# Altium PCB precursor_pvt2b.PcbDoc (part 4 of 7)
Units mm, origin at the board's own origin, x right, y up, seen from the top; angles counter-clockwise.
Board outline 62.8 x 62.65 mm, 6 copper layers (L1, L2, L3, L6, L7, L8), stack 0.693 mm thick; 424 components, 311 nets, 2038 pads, 2293 vias.
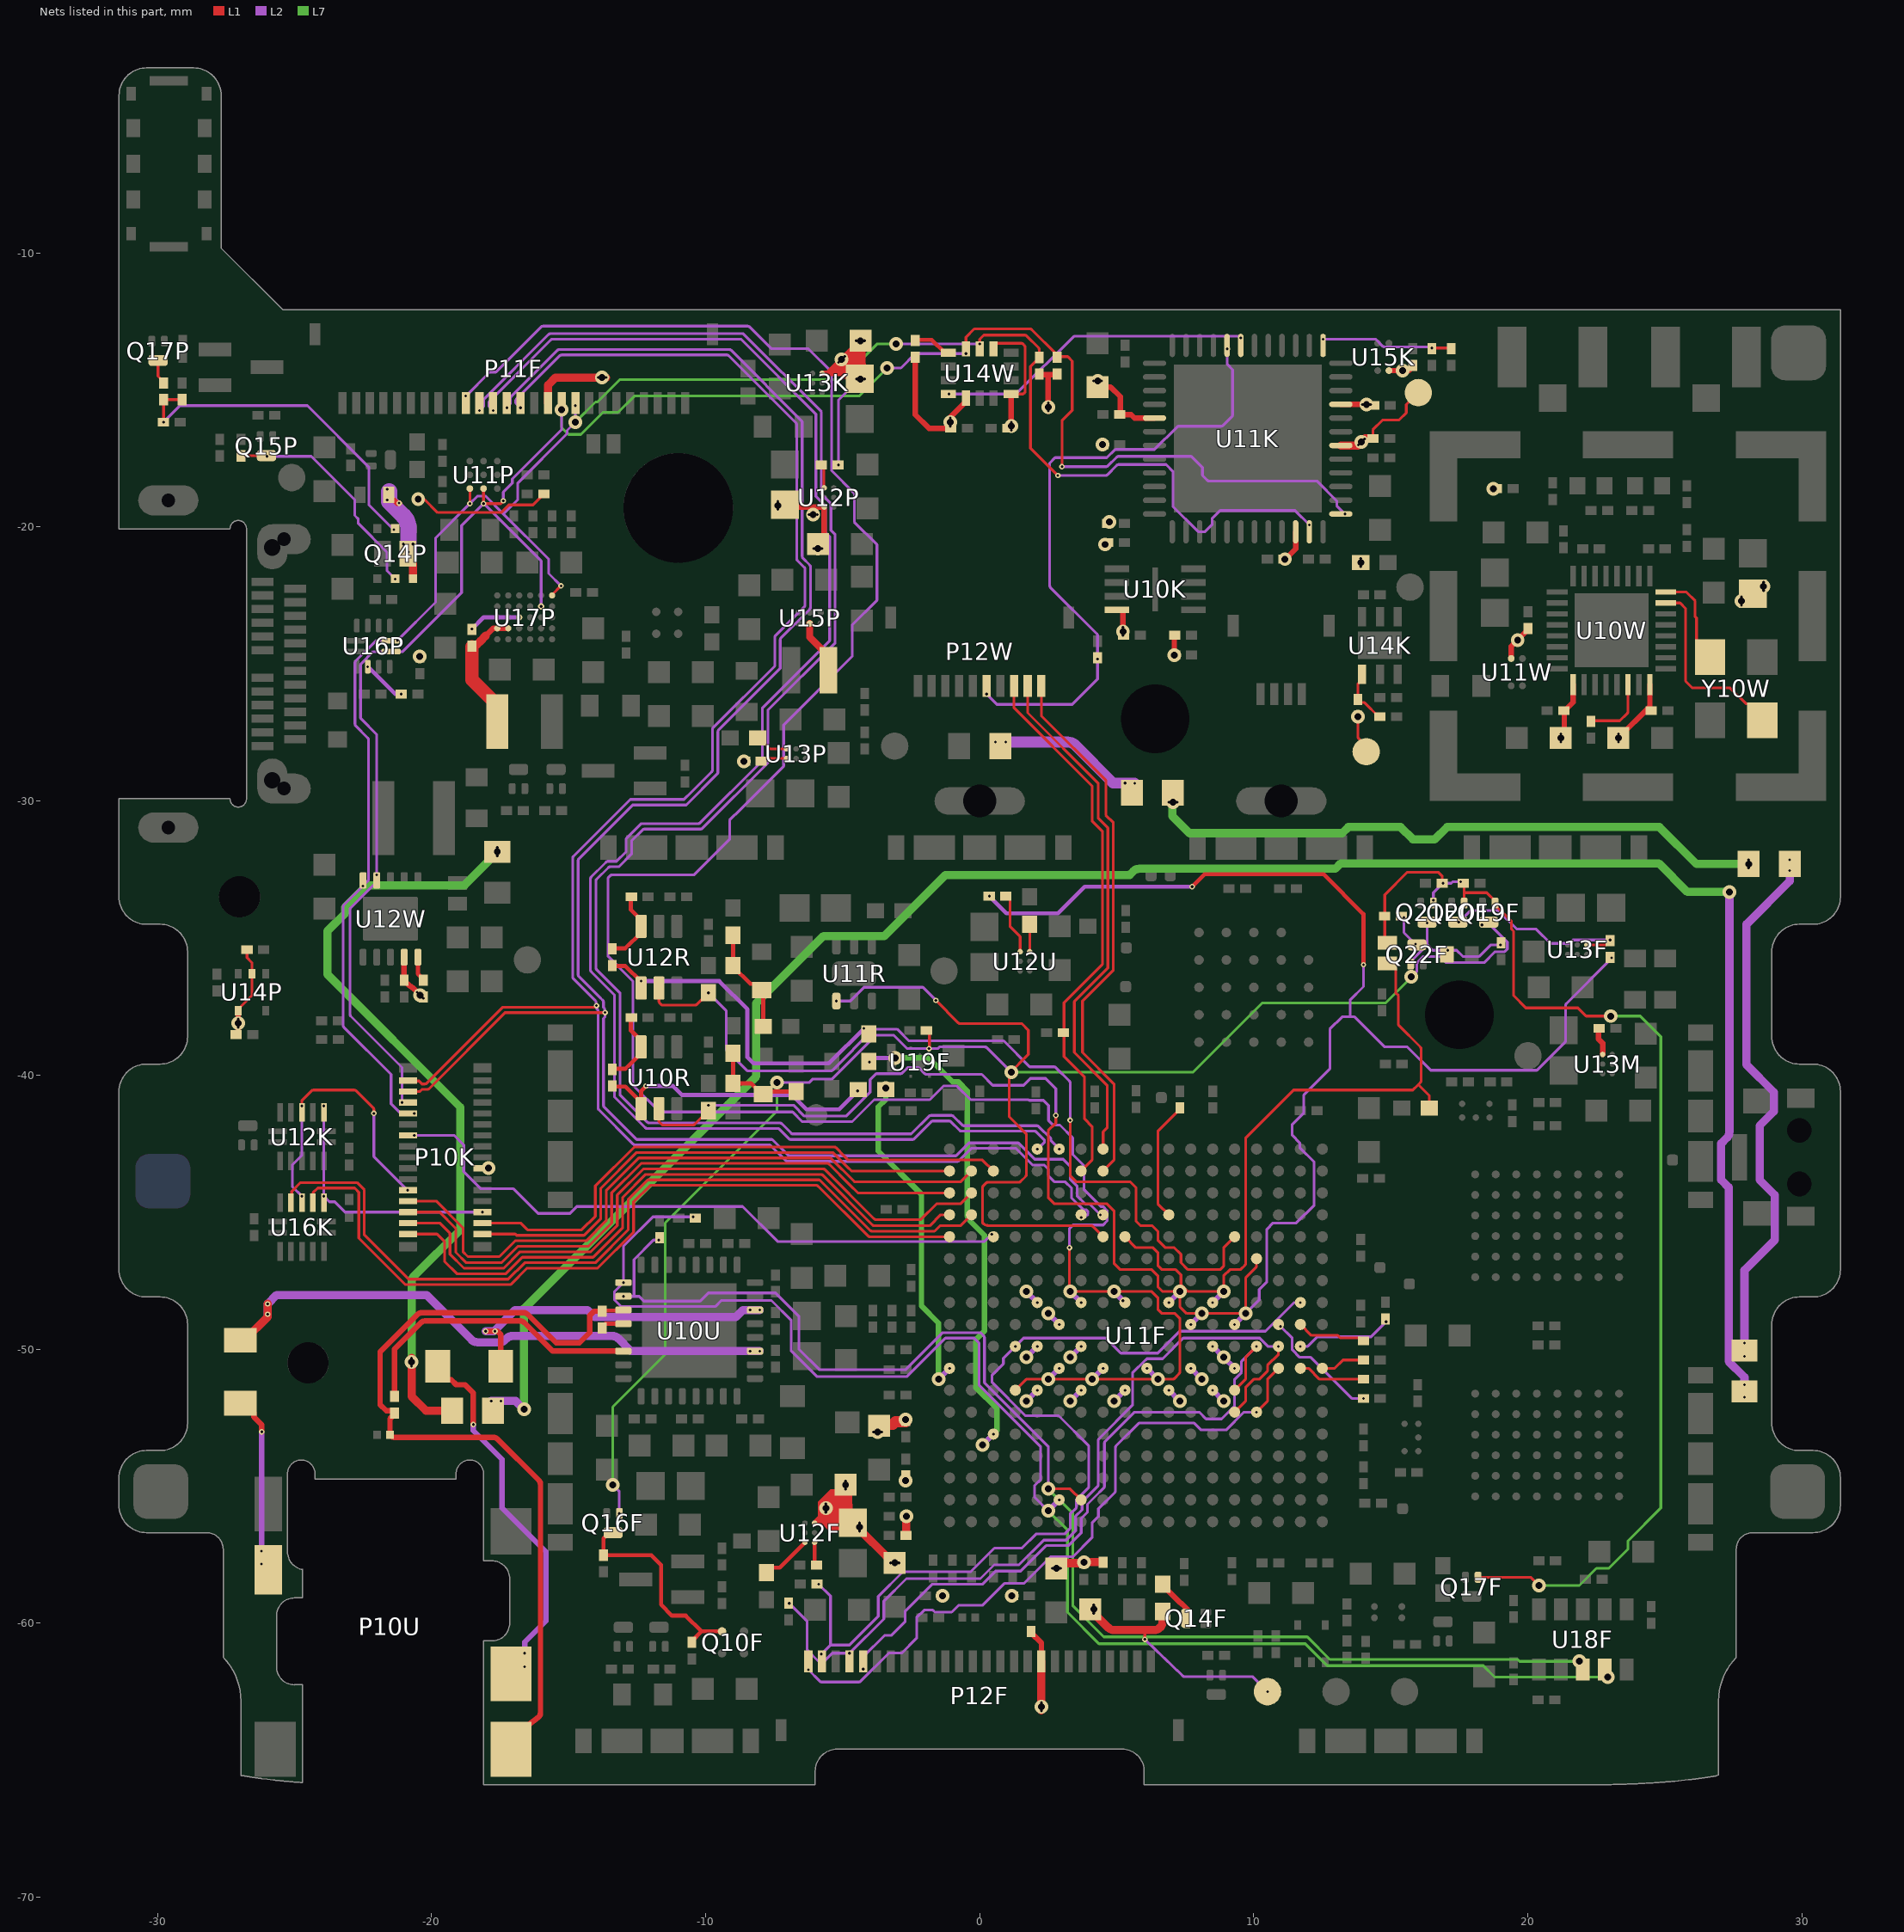
[diagram p8: the nets of this part, all layers, seen from the top]

## Via types
v1: diameter 0.2, hole 0.1, L1 to L2, tented both sides, 1440 vias
v2: diameter 0.5, hole 0.25, L2 to L7, tented both sides, 638 vias
v3: diameter 0.2, hole 0.1, L7 to L8, tented both sides, 179 vias
v4: diameter 0.5, hole 0.25, L1 to L8, 25 vias
v5: diameter 0.5, hole 0.25, L1 to L8, tented top, 5 vias
v6: diameter 0.5, hole 0.2, L1 to L8, 4 vias
v7: diameter 0.4, hole 0.25, L1 to L8, 2 vias

## Nets (pads, with @x,y where several pads share a name; then routed paths per layer and width w, separated by ;. In a path a pad name is that pad's centre, name@x,y a point inside that pad or via, vN(x,y) a via of type N, cw(c..) or ccw(c..) an arc to the next point about the centre after c; other vN are vias at no path point) (continued)
GPIO3: P10K.30 P11F.14 U11F.G15 | length 71.1
  L1 w0.1: P10K.30@-20.855,-40.2 -20.835,-40.22 -20.455,-40.22 -20.35,-40.325 -20.241,-40.325 ccw(c-20.241,-40.225) -20.17,-40.295 -17.4,-37.525 -14.036,-37.525 v1(-13.98,-37.469)
  L2 w0.1: v1(-16.75,-15.65) -16.925,-15.475 -16.925,-15.399 cw(c-16.825,-15.399) -16.896,-15.329 -15.321,-13.754 cw(c-15.251,-13.825) -15.251,-13.725 -9.224,-13.725 cw(c-9.224,-13.825) -9.154,-13.754 -6.705,-16.203 cw(c-6.775,-16.274) -6.675,-16.274 ; -7.446,-23.963 ccw(c-7.375,-24.034) -7.475,-24.034 -7.475,-25.075 -9.721,-27.321 ccw(c-9.65,-27.391) -9.75,-27.391 -9.75,-28.865 cw(c-9.85,-28.865) -9.779,-28.936 -10.513,-29.67 -10.787,-29.944 -12.744,-29.944 -14.821,-32.021 ccw(c-14.751,-32.092) -14.851,-32.091 -14.85,-36.417 ccw(c-14.75,-36.417) -14.82,-36.487 -14.035,-37.272 -14,-37.308 -14,-37.45 v1(-13.98,-37.469) -13.961,-37.489 -13.961,-37.598 -13.925,-37.634 -13.925,-41.191 ccw(c-13.825,-41.191) -13.896,-41.262 -12.637,-42.521 ccw(c-12.566,-42.45) -12.566,-42.55 -7.691,-42.55 cw(c-7.691,-42.65) -7.621,-42.579 -7.079,-43.121 ccw(c-7.009,-43.05) -7.009,-43.15 -0.824,-43.15 ccw(c-0.824,-43.05) -0.754,-43.121 -0.308,-42.675 1.325,-42.675 1.938,-43.288 2.362,-43.288 2.5,-43.425 2.5,-43.666 2.734,-43.9 3.125,-43.9 3.35,-44.125 3.35,-44.486 3.776,-44.913 3.875,-44.913 3.95,-44.987 3.95,-45.075 3.844,-45.181 3.681,-45.181 v1(3.7,-45.2) ; -7.445,-23.962 -6.404,-22.921 ccw(c-6.475,-22.851) -6.375,-22.851 -6.375,-21.541 ccw(c-6.475,-21.541) -6.406,-21.469 -6.646,-21.229 cw(c-6.575,-21.159) -6.675,-21.159 -6.675,-16.274
GPIO4: P10K.29 P11F.13 U11F.H15 | length 72
  L1 w0.1: P10K.29@-20.855,-40.6 -20.425,-40.6 -20.35,-40.525 -20.159,-40.525 ccw(c-20.159,-40.425) -20.088,-40.495 -17.317,-37.725 v1@-13.667,-37.725
  L2 w0.1: v1(-17.25,-15.65) cw(c-17.154,-15.677) -17.224,-15.606 -17.154,-15.536 ccw(c-17.225,-15.466) -17.125,-15.466 -17.125,-15.316 cw(c-17.025,-15.316) -17.096,-15.246 -15.404,-13.554 cw(c-15.334,-13.625) -15.333,-13.525 -9.183,-13.525 ; -9.182,-13.525 -9.142,-13.525 cw(c-9.141,-13.625) -9.071,-13.554 -6.504,-16.121 cw(c-6.575,-16.191) -6.475,-16.191 -6.475,-21.076 ccw(c-6.375,-21.076) -6.446,-21.146 -6.205,-21.387 cw(c-6.275,-21.459) -6.175,-21.458 ; -6.175,-21.459 -6.175,-22.934 cw(c-6.275,-22.934) -6.204,-23.004 -7.246,-24.046 ccw(c-7.175,-24.116) -7.275,-24.116 -7.275,-25.158 -9.521,-27.404 ccw(c-9.45,-27.474) -9.55,-27.474 -9.55,-28.949 cw(c-9.65,-28.949) -9.579,-29.019 -10.705,-30.145 -12.662,-30.145 -14.62,-32.103 ccw(c-14.55,-32.174) -14.65,-32.174 -14.65,-36.334 ccw(c-14.55,-36.334) -14.62,-36.405 -13.814,-37.212 cw(c-14.025,-37.424) -13.812,-37.213 -13.756,-37.27 cw(c-13.825,-37.341) -13.725,-37.341 -13.725,-37.531 -13.686,-37.569 -13.686,-37.7 v1(-13.667,-37.72) -13.673,-37.726 -13.673,-37.89 -13.725,-37.941 -13.725,-41.109 ccw(c-13.625,-41.109) -13.696,-41.179 -12.554,-42.321 ccw(c-12.484,-42.25) -12.484,-42.35 -7.609,-42.35 cw(c-7.609,-42.45) -7.538,-42.379 -6.996,-42.921 ccw(c-6.926,-42.85) -6.926,-42.95 -0.907,-42.95 ccw(c-0.907,-42.85) -0.836,-42.921 -0.391,-42.475 1.408,-42.475 2.008,-43.075 3.05,-43.075 3.3,-43.325 3.3,-43.792 3.55,-44.042 3.55,-44.404 3.859,-44.713 4.012,-44.713 v1(4.4,-45.1)
GPIO5: P11F.10 U11F.D7 | length 86.4
  L1 w0.1: U11F.D7@1.3,-51.5 1.7,-51.1 7.034,-51.1 ccw(c7.034,-51) 7.104,-51.071 7.271,-50.904 ccw(c7.2,-50.834) 7.3,-50.834 7.3,-48.875 7.125,-48.7 6.65,-48.7 6.5,-48.55 6.5,-48.125 6.275,-47.9 3.45,-47.9 3.275,-47.725 v1(3.275,-46.3)
  L2 w0.1: v1(-18.75,-15.225) -17.875,-14.35 -17.65,-14.35 -16.004,-12.704 cw(c-15.934,-12.775) -15.934,-12.675 -8.466,-12.675 ; -8.465,-12.675 cw(c-8.466,-12.775) -8.395,-12.705 -7.629,-13.471 ccw(c-7.559,-13.4) -7.559,-13.5 -6.25,-13.5 -5.4,-14.35 -5.4,-17.95 -4.575,-18.775 -4.575,-19.822 -3.75,-20.647 -3.75,-22.675 -4.65,-23.575 -4.65,-24.725 -7.154,-27.229 -7.154,-28.729 -8.725,-30.3 -9.125,-30.7 -9.125,-31.4 -10.417,-32.692 -12.313,-32.692 -12.904,-32.692 -12.908,-32.696 -13.405,-32.696 ccw(c-13.405,-32.796) -13.476,-32.726 -13.535,-32.785 ccw(c-13.465,-32.856) -13.565,-32.856 -13.565,-35.619 ccw(c-13.465,-35.619) -13.535,-35.69 -12.65,-36.575 -12.65,-40.334 ccw(c-12.55,-40.334) -12.621,-40.404 -11.704,-41.321 ccw(c-11.634,-41.25) -11.634,-41.35 -6.826,-41.35 -6.476,-41.7 -4.65,-41.7 -3.85,-40.9 -1.825,-40.9 -1.325,-40.4 -0.825,-40.4 -0.325,-40.9 1.785,-40.9 1.81,-40.925 2.325,-40.925 2.508,-41.108 2.508,-41.617 ccw(c2.608,-41.617) 2.538,-41.688 2.647,-41.797 ccw(c2.717,-41.726) 2.717,-41.826 2.926,-41.826 3.394,-42.294 3.394,-42.894 3.8,-43.3 3.8,-44.175 4.425,-44.8 4.5,-44.8 4.65,-44.95 4.65,-45.325 4.5,-45.475 3.4,-45.475 3.275,-45.6 v1(3.275,-46.3)
GPIO6: P11F.11 U11F.F18 | length 62.9
  L2 w0.1: v1(-18.25,-15.75) -18.1,-15.6 -18.1,-15.391 cw(c-18,-15.391) -18.071,-15.321 -15.787,-13.037 -15.729,-12.979 cw(c-15.659,-13.05) -15.66,-12.95 -15.659,-12.95 -8.625,-12.95 -5.775,-15.8 -5.775,-18.8 -5.425,-19.15 -5.425,-20.125 -5.275,-20.275 -5.275,-24.233 -7.725,-26.683 -7.725,-28.608 -10.113,-30.996 cw(c-10.184,-30.925) -10.184,-31.025 -12.226,-31.025 ccw(c-12.226,-31.125) -12.296,-31.054 -12.7,-31.458 -12.7,-31.933 -13.167,-32.4 -13.476,-32.4 ; -13.477,-32.4 ccw(c-13.476,-32.5) -13.546,-32.429 -13.971,-32.854 ccw(c-13.9,-32.924) -14,-32.924 -14,-36.084 ccw(c-13.9,-36.084) -13.971,-36.154 -13.125,-37 -13.125,-40.717 -12.121,-41.721 ccw(c-12.051,-41.65) -12.051,-41.75 -7.291,-41.75 cw(c-7.291,-41.85) -7.221,-41.779 -6.879,-42.121 ccw(c-6.809,-42.05) -6.809,-42.15 -2.541,-42.15 ccw(c-2.541,-42.05) -2.471,-42.121 -1.855,-41.505 cw(c-1.784,-41.575) -1.784,-41.475 -1.034,-41.475 cw(c-1.034,-41.575) -0.963,-41.504 -0.646,-41.821 ccw(c-0.576,-41.75) -0.576,-41.85 2.084,-41.85 cw(c2.084,-41.95) 2.154,-41.879 2.6,-42.325 2.6,-42.4 v1(2.9,-42.7)
GPIO7: P11F.12 U11F.E18 | length 62.2
  L2 w0.1: v1(-17.75,-15.75) -17.9,-15.6 -17.9,-15.474 cw(c-17.8,-15.474) -17.871,-15.404 -15.646,-13.179 cw(c-15.576,-13.25) -15.577,-13.15 -8.708,-13.15 -5.975,-15.883 -5.975,-18.883 -5.625,-19.233 -5.625,-20.208 -5.475,-20.358 -5.475,-24.15 -7.925,-26.6 -7.925,-28.525 -10.196,-30.796 cw(c-10.266,-30.725) -10.266,-30.825 -12.309,-30.825 ccw(c-12.309,-30.925) -12.379,-30.854 -12.9,-31.375 -12.9,-31.85 -13.25,-32.2 -13.559,-32.2 -13.56,-32.2 ccw(c-13.559,-32.3) -13.629,-32.229 -13.687,-32.287 -14.171,-32.771 ccw(c-14.1,-32.841) -14.2,-32.841 -14.2,-36.166 ccw(c-14.1,-36.166) -14.171,-36.237 -13.325,-37.083 -13.325,-40.8 -12.204,-41.921 ccw(c-12.134,-41.85) -12.134,-41.95 -7.374,-41.95 cw(c-7.374,-42.05) -7.304,-41.979 -6.962,-42.321 ccw(c-6.891,-42.25) -6.891,-42.35 -2.459,-42.35 ccw(c-2.459,-42.25) -2.388,-42.321 -1.772,-41.705 cw(c-1.701,-41.775) -1.701,-41.675 -1.116,-41.675 cw(c-1.116,-41.775) -1.046,-41.704 -0.729,-42.021 ccw(c-0.659,-41.95) -0.659,-42.05 2.001,-42.05 cw(c2.001,-42.15) 2.071,-42.079 2.359,-42.366 2.359,-42.466 2.125,-42.7 v1(2.1,-42.7)
GYRO_INT0: U11K.43 U14W.4 | length 11.5
  L2 w0.1: v1(-1.125,-15.15) 1.284,-15.15 ccw(c1.284,-15.05) 1.355,-15.12 3.401,-13.074 cw(c3.472,-13.144) 3.472,-13.044 9.428,-13.044 cw(c9.428,-13.144) 9.498,-13.073 v1(9.525,-13.1)
HP_LEFT: C10U.2 P10U.2 | length 6.3
  L1 w0.2: C10U.2@-26.975,-51.975 -26.825,-51.975 -26.475,-52.325 -26.475,-52.475 -26.191,-52.759 v1(-26.191,-53.017)
  L2 w0.2: v1@-26.2,-57.831 v1(-26.2,-57.369) v1@-26.2,-53.017
  other v1: -26.2,-57.844
HP_MIC: C16U.1 D11U.2 P10U.1 R13U.1 U10U.11 | length 30.2
  L1 w0.15: R13U.1@-13.775,-48.62 -13.752,-48.598 -13.022,-48.598 U10U.11@-13,-48.575
  L1 w0.2: C16U.1@-21.35,-52.35 -21.35,-52.375 -21.515,-52.54 D11U.2@-21.515,-53.125 -21.474,-53.166 ccw(c-21.332,-53.025) -21.332,-53.225 -17.733,-53.225 cw(c-17.733,-53.425) -17.591,-53.284 -16.084,-54.791 cw(c-16.225,-54.933) -16.025,-54.933 -16.025,-63.275 cw(c-16.225,-63.275) -16.103,-63.433 -16.45,-63.7 P10U.1@-17.1,-64.2 ; C16U.1@-21.35,-52.33 -21.35,-52.31 -21.41,-52.25 -21.65,-52.25 -21.875,-52.025 -21.875,-50.1 -20.509,-48.734 cw(c-20.367,-48.875) -20.367,-48.675 -16.633,-48.675 cw(c-16.633,-48.875) -16.491,-48.734 -15.45,-49.775 -14.6,-49.775 -14.225,-49.4 -14.225,-48.775 -14.07,-48.62 R13U.1@-13.775,-48.62
HP_RIGHT: C11U.2 P10U.3 | length 13.2
  L1 w0.2: C11U.2@-19.775,-50.625 -19.775,-50.775 -19.425,-51.125 -19.275,-51.125 -19.1,-51.3 -18.775,-51.3 -18.475,-51.6 v1(-18.475,-52.75)
  L2 w0.2: v1(-18.475,-52.75) -18.475,-52.975 -17.425,-54.025 -17.425,-55.8 -15.832,-57.393 -15.832,-59.919 -16.6,-60.688 v1(-16.6,-61.094) -16.6,-61.1 v1@-16.6,-61.582
  other v1: -16.6,-61.594
I2C0_SCL: P10K.27 P11F.18 R19K.1 U11K.23 U11P.A3 U12W.10 U14W.13 U16P.8 U17P.F5 | length 73.2
  L1 w0.1: v1(-18.6,-19.15) U11P.A3@-18.6,-18.6 ; U17P.F5@-15.6,-22.5 -15.6,-22.475 v1(-15.275,-22.15) ; U14W.13@0,-13.5 v1(0,-13.325) 0,-13.15 0.15,-13 1.639,-13 cw(c1.639,-13.1) 1.711,-13.03 2.143,-13.463 ; 2.144,-13.463 cw(c2.072,-13.533) 2.172,-13.532 2.172,-13.822 1.853,-14.141 1.853,-17.128 v1(2.85,-18.125)
  L2 w0.1: v1(-20.625,-41.4) -21.125,-41.4 -21.475,-41.05 -21.475,-39.975 -23.196,-38.254 cw(c-23.125,-38.184) -23.225,-38.184 -23.225,-33.866 cw(c-23.125,-33.866) -23.196,-33.796 v1(-22.5,-33.1) -22.329,-32.929 ccw(c-22.4,-32.859) -22.3,-32.859 -22.3,-27.766 ccw(c-22.4,-27.766) -22.329,-27.696 -22.76,-27.265 cw(c-22.689,-27.194) -22.789,-27.194 -22.789,-24.956 cw(c-22.689,-24.956) -22.76,-24.885 -22.025,-24.15 v1(-21.25,-24.15) -19.85,-22.75 -19.85,-20.4 v1(-18.6,-19.15) -18.325,-18.875 -18.025,-18.875 -17.375,-19.525 ; v1(-15.275,-22.15) -15.725,-21.7 -15.725,-21.175 -17.375,-19.525 ; v1(-14.756,-15.575) -14.75,-15.581 v2(-14.75,-16.175) -15.05,-16.475 -15.05,-16.6 -16.85,-18.4 -16.85,-19 -17.375,-19.525 ; v2(-3.05,-13.325) v1(0,-13.325) ; v1(2.85,-18.125) 4.584,-18.125 ccw(c4.584,-18.025) 4.654,-18.096 4.996,-17.754 cw(c5.066,-17.825) 5.065,-17.725 ; 5.066,-17.725 6.8,-17.725 7.05,-17.975 7.05,-19.254 7.921,-20.125 7.925,-20.125 7.975,-20.175 8.225,-20.175 8.475,-19.925 8.475,-19.7 8.775,-19.4 11.5,-19.4 v1(12.025,-19.925)
  L7 w0.1: v2(-14.75,-16.175) -14.016,-15.441 -13.947,-15.441 -13.131,-14.625 -5.05,-14.625 -3.75,-13.325 v2(-3.05,-13.325)
I2C0_SDA: P10K.28 P11F.17 R18K.1 U11K.25 U11P.A2 U12W.9 U14W.14 U16P.7 U17P.E4 | length 73.3
  L1 w0.1: U11P.A2@-18.1,-18.6 -18.1,-19.15 v1(-18.102,-19.152) -17.477,-19.152 -17.382,-19.057 v1(-17.382,-19.048) ; v1(-15.256,-15.726) P11F.17@-15.256,-15.575 ; U14W.14@-0.5,-13.5 -0.5,-13.075 -0.2,-12.775 1.834,-12.775 cw(c1.834,-12.875) 1.905,-12.805 2.795,-13.695 cw(c2.725,-13.766) R18K.1@2.825,-13.766 ; R18K.1@2.825,-13.766 2.825,-13.786 3.211,-13.786 3.375,-13.95 3.375,-15.75 3,-16.125 v1(3,-17.8)
  L2 w0.1: v1(-21.075,-41) -21.075,-39.725 -22.942,-37.858 cw(c-22.872,-37.787) -22.972,-37.787 -22.972,-33.963 cw(c-22.872,-33.963) -22.942,-33.892 -22.352,-33.302 -22.348,-33.302 -22,-32.954 v1(-22,-32.7) -22,-27.575 -22.56,-27.015 cw(c-22.489,-26.944) -22.589,-26.944 -22.589,-25.052 cw(c-22.489,-25.052) -22.56,-24.982 -22.129,-24.55 v1(-21.675,-24.55) -21.05,-24.55 -18.9,-22.4 -18.9,-19.95 v1(-18.102,-19.152) -18.09,-19.152 -16,-21.242 v1(-16,-22.9) ; v1(-17.382,-19.048) -17.381,-19.046 -17.381,-18.731 -17.05,-18.4 -17.05,-18.25 -15.256,-16.456 v1(-15.256,-15.726) ; v2(-3.375,-14.2) -2.875,-14.2 -2.35,-13.675 v1(-0.5,-13.675) ; v1(3,-17.8) 4.609,-17.8 ccw(c4.609,-17.7) 4.679,-17.771 4.996,-17.454 cw(c5.066,-17.525) 5.065,-17.425 ; 5.066,-17.425 7.714,-17.425 8.125,-17.836 8.125,-18.084 ccw(c8.225,-18.084) 8.154,-18.154 8.296,-18.296 ccw(c8.366,-18.225) 8.366,-18.325 12.3,-18.325 13.025,-19.05 13.025,-19.225 v1(13.325,-19.525)
  L7 w0.1: v1(-15.256,-15.726) -15.256,-16.369 -15,-16.625 -14.55,-16.625 -13.75,-15.825 -13.2,-15.825 -12.6,-15.225 -4.4,-15.225 v2(-3.375,-14.2)
  other v2: -15.256,-15.726
I2C1_SCL: R26F.1 U10U.10 U11F.G2 U18F.3 | length 50.2
  L1 w0.1: v2(2.5,-55.1) 3.3,-55.1 U11F.G2@3.7,-55.5
  L2 w0.1: v1(-13,-48.075) -12.613,-48.075 ; v1(-11.706,-46.021) -11.9,-46.021 -12.613,-46.734 -12.613,-48.075 ; 0.175,-49.591 0.175,-51.225 2.5,-53.55 v2(2.5,-55.1) ; 0.175,-49.591 ccw(c0.075,-49.591) 0.146,-49.521 0.055,-49.43 ccw(c-0.016,-49.5) -0.016,-49.4 -1.35,-49.4 -2.7,-50.75 -5.85,-50.75 -6.6,-50 -6.6,-48.8 -7.45,-47.95 -9.9,-47.95 -10.2,-48.25 -12.25,-48.25 -12.425,-48.075 -12.613,-48.075
  L7 w0.1: v2(2.5,-55.1) 3.4,-56 3.4,-59.375 4.525,-60.5 11.95,-60.5 12.775,-61.325 19.628,-61.325 19.698,-61.395 21.867,-61.395 v1(21.872,-61.391)
  other v1: 2.5,-55.1
  other v2: 21.872,-61.391
I2C1_SDA: R25F.1 U10U.9 U11F.F2 U18F.4 | length 53.8
  L1 w0.1: U18F.4@22.8,-61.85 U18F.4@22.8,-61.7
  L2 w0.1: v1(-10.45,-45.175) -11.925,-45.175 -13,-46.25 v1(-13,-47.575) -13.325,-47.9 -13.325,-48.2 -13.075,-48.45 -9.65,-48.45 -9.425,-48.225 -7.6,-48.225 -6.875,-48.95 -6.875,-50.075 -5.95,-51 -2.65,-51 -1.25,-49.6 -0.2,-49.6 -0.025,-49.775 -0.025,-51.272 ccw(c0.075,-51.272) 0.004,-51.342 2.225,-53.563 2.225,-54.755 2,-54.98 2,-55.4 v2(2.5,-55.9)
  L2 w0.2: v2(2.5,-55.9) v1(2.9,-55.5)
  L7 w0.1: v2(2.5,-55.9) 3.2,-56.6 3.2,-59.6 4.35,-60.75 11.875,-60.75 12.68,-61.555 18.371,-61.555 18.785,-61.969 v1(22.91,-61.969)
  other v2: 22.91,-61.969
INIT_B: R15F.1 U11F.U8 | length 2.4
  L1 w0.1: U11F.U8@11.7,-50.7 11.998,-50.7 12.398,-51.1 R15F.1@13.975,-51.1
JTAG_TCK: P12F.25 R35F.1 U11F.D9 U11F.U11 | length 34.8
  L2 w0.1: v1(-5.876,-58.578) -5.444,-59.01 -5.444,-60.797 ; v1@-5.775,-61.125 -5.772,-61.125 -5.444,-60.797 ; v1(11.7,-48.3) 11.475,-48.3 10.425,-49.35 7.298,-49.35 6.498,-50.15 5.15,-50.15 4.6,-49.6 1.6,-49.6 v1(1.3,-49.9) 0.865,-50.335 0.865,-50.535 0.45,-50.95 0.45,-51.216 1.664,-52.43 2.88,-52.43 3.975,-53.525 3.975,-55.051 3.532,-55.495 3.532,-55.743 3.525,-55.75 3.525,-55.79 3.3,-56.015 3.3,-56.544 3.097,-56.747 2.053,-56.747 1.538,-57.262 0.537,-57.262 -0.325,-58.125 -2.8,-58.125 -3.7,-59.025 -3.7,-59.75 -4.747,-60.797 -5.444,-60.797
  other v1: -5.775,-61.128
JTAG_TDI: P12F.22 U11F.P7 U11F.R9 | length 24.1
  L1 w0.1: U11F.P7@9.3,-51.5 9.7,-51.1 9.7,-50.3 v1(10.1,-49.9)
  L2 w0.1: v1(-4.25,-61.675) -4.25,-61.225 -3.475,-60.45 -3.225,-60.45 -2.725,-59.95 -2.725,-59.575 -1.725,-58.575 0.108,-58.575 0.583,-58.1 1.492,-58.1 2.311,-57.281 2.42,-57.172 3.237,-57.172 3.7,-56.709 3.7,-56.181 3.932,-55.949 3.932,-55.661 4.197,-55.395 4.521,-55.071 ccw(c4.45,-55.001) 4.55,-55.001 4.55,-53.434 cw(c4.65,-53.434) 4.579,-53.363 5.642,-52.3 8.008,-52.3 8.258,-52.55 8.825,-52.55 9.3,-52.075 9.3,-51.1 9.55,-50.85 9.55,-50.45 v1(10.1,-49.9)
JTAG_TDO: P12F.26 U11F.R6 U11F.T8 | length 24.7
  L1 w0.1: v1(10.1,-52.3) 10.5,-51.9 10.5,-51.1 U11F.T8@10.9,-50.7
  L2 w0.1: v1(-6.25,-61.7) -5.829,-62.121 ccw(c-5.759,-62.05) -5.759,-62.15 -4.413,-62.15 ccw(c-4.413,-62.05) -4.342,-62.121 -3.31,-61.088 -2.838,-61.088 -2.3,-60.55 -2.3,-59.798 -2.025,-59.523 -1.715,-59.523 -1.637,-59.6 -1.025,-59.6 -0.775,-59.35 0.1,-59.35 0.9,-58.55 1.608,-58.55 2.58,-57.578 3.397,-57.578 4.1,-56.875 4.1,-56.346 4.332,-56.115 4.332,-55.826 4.921,-55.237 ccw(c4.85,-55.166) 4.95,-55.166 4.95,-53.599 cw(c5.05,-53.599) 4.979,-53.529 5.808,-52.7 7.825,-52.7 8.075,-52.95 8.991,-52.95 9.641,-52.3 v1(10.1,-52.3)
JTAG_TMS: P12F.23 R34F.2 U11F.P6 U11F.T9 | length 30.1
  L1 w0.1: R34F.2@-6.975,-59.275 R34F.2@-6.975,-59.27 R34F.2@-6.975,-59.25 ; U11F.P6@9.3,-52.3 9.7,-51.9 9.7,-51.398 9.998,-51.1 10.202,-51.1 10.5,-50.802 10.5,-50.593 10.9,-50.193 v1(10.9,-49.9)
  L2 w0.1: v1(-6.95,-59.275) -6.3,-59.925 -6.3,-60.934 ccw(c-6.2,-60.934) -6.271,-61.004 -5.904,-61.371 ccw(c-5.834,-61.3) -5.834,-61.4 -5.675,-61.4 -5.375,-61.1 v1(-4.75,-61.1) -3.5,-59.85 -3.5,-59.2 -2.675,-58.375 0.025,-58.375 0.525,-57.875 1.434,-57.875 2.337,-56.972 3.155,-56.972 3.5,-56.626 3.5,-56.098 3.732,-55.866 3.732,-55.578 4.296,-55.014 ccw(c4.225,-54.943) 4.325,-54.943 4.325,-53.341 cw(c4.425,-53.341) 4.354,-53.271 5.575,-52.05 5.575,-50.871 6.046,-50.4 6.05,-50.4 6.1,-50.35 6.675,-50.35 7.425,-49.6 10.211,-49.6 10.511,-49.9 v1(10.9,-49.9)
KEY0: P10K.16 U11F.A15 | length 23.9
  L1 w0.1: P10K.16@-20.855,-45.8 -19.8,-45.8 -19.525,-46.075 -19.525,-46.8 -19.075,-47.25 -17.284,-47.25 -16.684,-46.65 -14.105,-46.65 -13.025,-45.57 -13.025,-44.463 -12.187,-43.625 -5.799,-43.625 cw(c-5.799,-43.725) -5.728,-43.655 -3.912,-45.471 ccw(c-3.841,-45.4) -3.841,-45.5 -1.825,-45.5 -1.425,-45.1 U11F.A15@-1.1,-45.1
KEY1: P10K.1 U11F.A17 | length 19.2
  L1 w0.1: P10K.1@-18.145,-45.8 -16.945,-45.8 -16.895,-45.85 -14.437,-45.85 -13.825,-45.238 -13.825,-44.131 -12.519,-42.825 -5.398,-42.825 cw(c-5.398,-42.925) -5.327,-42.855 -4.813,-43.368 -4.681,-43.5 U11F.A17@-1.1,-43.5
KEY2: P10K.18 U11F.A16 | length 23.6
  L1 w0.1: P10K.18@-20.855,-45 -19.708,-45 -19.112,-45.596 -19.112,-46.471 -18.733,-46.85 -17.45,-46.85 -16.85,-46.25 -14.271,-46.25 -13.425,-45.404 -13.425,-44.297 -12.353,-43.225 -5.563,-43.225 cw(c-5.563,-43.325) -5.492,-43.255 -4.733,-44.014 -4.447,-44.3 U11F.A16@-1.1,-44.3
KEY3: U11F.A14 U16K.2 | length 29
  L1 w0.1: U16K.2@-24.325,-44.66 -24.325,-44.3 -24.15,-44.125 -22.8,-44.125 -22.65,-44.275 -22.65,-45.95 -20.95,-47.65 -17.119,-47.65 -16.519,-47.05 -13.94,-47.05 -12.625,-45.735 -12.625,-44.628 -12.022,-44.025 -5.965,-44.025 cw(c-5.965,-44.125) -5.894,-44.055 -4.078,-45.871 ccw(c-4.007,-45.8) -4.007,-45.9 U11F.A14@-1.1,-45.9
KEY3_MUX: P10K.3 U12K.1 U16K.1 | length 9.3
  L2 w0.1: v1(-23.925,-41.125) v1(-23.925,-44.425) -23.725,-44.625 -23.525,-44.625 -23.15,-45 v1(-18.145,-45)
KEY4: P10K.2 U11F.C17 | length 21
  L1 w0.1: P10K.2@-18.145,-45.4 -16.749,-45.4 -16.499,-45.65 -14.52,-45.65 -14.025,-45.155 -14.025,-44.049 -12.601,-42.625 -5.315,-42.625 cw(c-5.315,-42.725) -5.244,-42.655 -4.936,-42.963 -4.799,-43.1 0.1,-43.1 U11F.C17@0.5,-43.5
KEY5: P10K.17 U11F.B16 | length 25
  L1 w0.1: P10K.17@-20.855,-45.4 -19.7,-45.4 -19.325,-45.775 -19.325,-46.541 -18.816,-47.05 -17.367,-47.05 -16.767,-46.45 -14.188,-46.45 -13.225,-45.487 -13.225,-44.38 -12.27,-43.425 -5.716,-43.425 cw(c-5.716,-43.525) -5.645,-43.455 -3.854,-45.246 ccw(c-3.784,-45.175) -3.784,-45.275 -2.15,-45.275 -1.575,-44.7 -0.7,-44.7 U11F.B16@-0.3,-44.3
KEY6: P10K.19 U11F.B17 | length 24.6
  L1 w0.1: P10K.19@-20.855,-44.6 -19.825,-44.6 -18.85,-45.575 -18.85,-46.45 -18.675,-46.625 -17.525,-46.625 -16.95,-46.05 -14.354,-46.05 -13.625,-45.321 -13.625,-44.214 -12.436,-43.025 -5.481,-43.025 cw(c-5.481,-43.125) -5.41,-43.055 -4.589,-43.875 -4.564,-43.9 -0.7,-43.9 U11F.B17@-0.3,-43.5
KEY7: P10K.25 U11F.C14 | length 23.6
  L2 w0.1: v1(-20.625,-42.2) -19.175,-42.2 -18.825,-42.55 -18.825,-43.525 -18.2,-44.15 -17.009,-44.15 -16.109,-45.05 -14.95,-45.05 -14.7,-44.8 -8.65,-44.8 -7.375,-46.075 0.178,-46.075 v1(0.44,-45.813)